# Altium PCB LimeSDR_Mini_1v0_Rounded.PcbDoc (part 1 of 5) (continued)
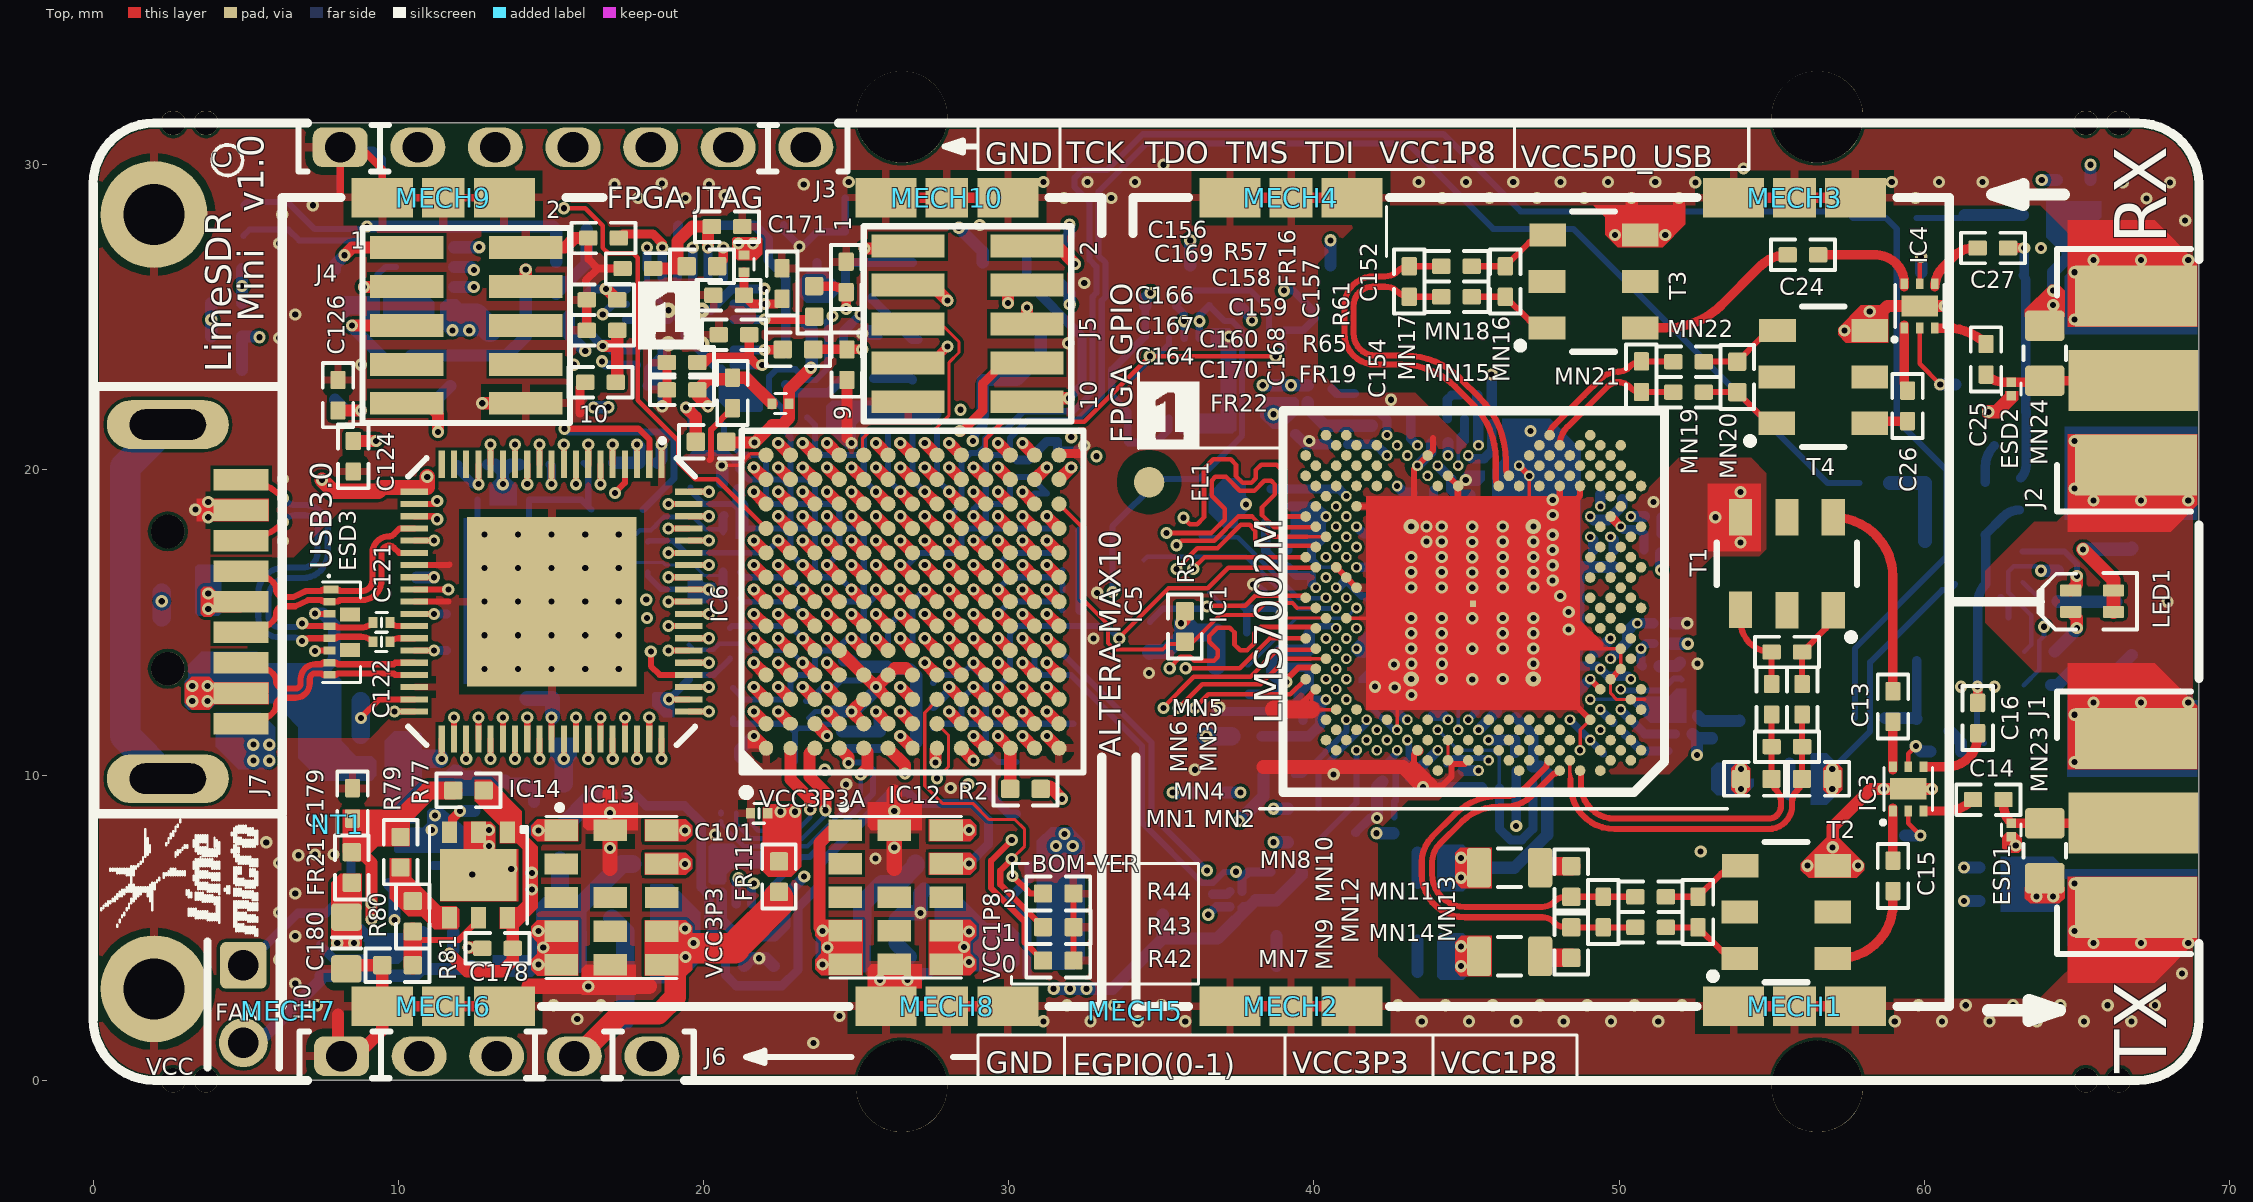
[diagram p0: Top view]
## Components (designator, comment, footprint, x,y, rotation, side; value= is the part's Value field where it differs from the comment)
C1 "10pF, 25V" CAP0402#1 41.375,8.625 r270 bottom
C2 "1uF, 10V" CAP0402#1 38.775,5.225 r270 bottom
C3 "100pF, 50V" CAP0402#1 56.085,10.375 r180 bottom
C4 "100nF, 16V" CAP0402#1 52.825,9.875 r0 bottom
C5 "100pF, 50V" CAP0402#1 54.382,9.432 r270 bottom
C6 "100nF, 16V" CAP0402#1 56.085,9.375 r0 bottom
C7 "100pF, 50V" CAP0402#1 43.9,3.55 r180 bottom
C8 "100pF, 50V" CAP0402#1 43.892,6.467 r180 bottom
C9 "100nF, 16V" CAP0402#1 43.892,7.467 r0 bottom
C10 "100nF, 16V" CAP0402#1 43.9,4.575 r0 bottom
C11 "100nF, 16V" CAP0402#1 63.95,7.45 r270 bottom
C12 "100pF, 50V" CAP0402#1 63.95,5.4 r270 bottom
C13 "47pF, 50V" CAP0402#2 58.975,12.25 r90 top
C14 "510pF" CAP0402#2 62.1,9.2 r0 top
C15 "510pF" CAP0402#2 58.975,6.7 r270 top
C16 "47pF, 50V" CAP0402#2 61.75,11.875 r90 top
C17 "10pF, 25V" CAP0402#1 58.875,8.025 r0 bottom
C18 "10pF, 25V" CAP0402#1 60.7,10.775 r180 bottom
C19 "100pF, 50V" CAP0402#1 56.825,20.075 r90 bottom
C20 "100pF, 50V" CAP0402#1 57.675,27.75 r270 bottom
C21 "100nF, 16V" CAP0402#1 65.2,27.45 r180 bottom
C22 "100pF, 50V" CAP0402#1 64.225,24.05 r270 bottom
C23 "100pF, 50V" CAP0402#1 57.15,12.925 r180 bottom
C24 "47pF, 50V" CAP0402#2 56.025,27.05 r180 top
C25 "510pF" CAP0402#2 62.025,23.625 r270 top
C26 "510pF" CAP0402#2 59.45,22.1 r270 top
C27 "47pF, 50V" CAP0402#2 62.25,27.275 r0 top
C28 "10pF, 25V" CAP0402#1 61.025,22.3 r90 bottom
C29 "10pF, 25V" CAP0402#1 59.9,25.975 r90 bottom
C30 "1uF, 6.3V" CAP0201 42.376,9.196 r180 bottom
C31 "1nF, 10%" CAP0201 40.901,16.646 r135 bottom
C32 "1uF, 6.3V" CAP0201 43.026,15.596 r0 bottom
C33 "1nF, 10%" CAP0201 39.625,11.508 r90 bottom
C34 "1uF, 6.3V" CAP0201 39.77,12.441 r180 bottom
C35 "1nF, 10%" CAP0201 38.325,15.755 r90 bottom
C36 "1uF, 6.3V" CAP0201 37.416,15.526 r180 bottom
C37 "1nF, 10%" CAP0201 39.926,16.821 r90 bottom
C38 "1uF, 6.3V" CAP0201 39.146,17.101 r90 bottom
C39 "1nF, 10%" CAP0201 39.2,19.091 r270 bottom
C40 "1uF, 6.3V" CAP0201 40.05,19.091 r270 bottom
C41 "1uF, 6.3V" CAP0201 51.246,11.071 r270 bottom
C42 "1uF, 6.3V" CAP0201 45.8,9.575 r180 bottom
C43 "1uF, 6.3V" CAP0201 46.63,10.425 r270 bottom
C44 "1uF, 6.3V" CAP0201 46.275,12.4 r0 bottom
C45 "1uF, 6.3V" CAP0201 39.173,21.405 r315 bottom
C46 "1uF, 6.3V" CAP0201 45.476,20.091 r270 bottom
C47 "1uF, 6.3V" CAP0201 51.1,17.9 r0 bottom
C48 "1uF, 6.3V" CAP0201 51.051,13.571 r0 bottom
C49 "1uF, 6.3V" CAP0201 40.821,20.841 r180 bottom
C50 "1uF, 6.3V" CAP0201 52.301,12.646 r0 bottom
C51 "1uF, 6.3V" CAP0201 40.575,21.758 r90 bottom
C52 "1uF, 6.3V" CAP0201 53.944,11.502 r270 bottom
C53 "1uF, 6.3V" CAP0201 41.925,17.621 r270 bottom
C54 "1nF, 10%" CAP0201 42.676,17.621 r270 bottom
C55 "1uF, 6.3V" CAP0201 44.875,9.875 r270 bottom
C56 "1uF, 6.3V" CAP0201 42.176,12.271 r180 bottom
C57 "1uF, 6.3V" CAP0201 42.251,10.071 r270 bottom
C58 "1uF, 6.3V" CAP0201 51.43,14.975 r180 bottom
C59 "1uF, 6.3V" CAP0201 45.125,18.898 r270 bottom
C60 "1uF, 6.3V" CAP0201 37.875,12.373 r270 bottom
C61 "1nF, 10%" CAP0201 38.926,12.371 r270 bottom
C62 "1uF, 6.3V" CAP0201 39.125,13.823 r270 bottom
C63 "1nF, 10%" CAP0201 39.851,13.814 r270 bottom
C64 "1uF, 6.3V" CAP0201 41.925,16.531 r270 bottom
C65 "1nF, 10%" CAP0201 42.676,16.521 r270 bottom
C66 "1uF, 6.3V" CAP0201 48.92,14.025 r180 bottom
C67 "1uF, 6.3V" CAP0201 49.474,10.42 r270 bottom
C68 "1uF, 6.3V" CAP0201 44.225,9.95 r270 bottom
C69 "1uF, 6.3V" CAP0201 44.727,12.576 r90 bottom
C70 "1uF, 6.3V" CAP0201 43.9,12.23 r270 bottom
C71 "1uF, 6.3V" CAP0201 43.513,19.246 r0 bottom
C72 "1uF, 6.3V" CAP0201 41.326,22.221 r90 bottom
C73 "1uF, 6.3V" CAP0201 43.176,22.021 r90 bottom
C74 "1uF, 6.3V" CAP0201 44.12,20.903 r180 bottom
C75 "1uF, 6.3V" CAP0201 44.651,21.671 r180 bottom
C76 "1uF, 6.3V" CAP0201 49.389,19.475 r90 bottom
C77 "1uF, 6.3V" CAP0201 49.15,17.1 r90 bottom
C78 "1uF, 6.3V" CAP0201 52.05,13.408 r90 bottom
C79 "1uF, 6.3V" CAP0201 48.195,12.6 r0 bottom
C80 "1uF, 6.3V" CAP0201 50.001,11.537 r315 bottom
C81 "1uF, 6.3V" CAP0201 48.151,13.396 r180 bottom
C82 "1uF, 6.3V" CAP0201 43.15,9.645 r270 bottom
C83 "1uF, 6.3V" CAP0201 50.388,19.042 r0 bottom
C84 "1uF, 6.3V" CAP0201 51.125,18.475 r0 bottom
C85 "1uF, 6.3V" CAP0201 49.825,17.1 r270 bottom
C86 "1uF, 6.3V" CAP0201 45.071,22.453 r180 bottom
C87 "100nF, 16V" CAP0402#1 31.45,24.7 r0 bottom
C88 "10uF, 6.3V" CAP0603#1 30.25,9.575 r90 bottom
C89 "1uF, 6.3V" CAP0201 32.05,16.725 r0 bottom
C90 "100nF, 6.3V" CAP0201 32.05,16.05 r0 bottom
C91 "100nF, 6.3V" CAP0201 32.05,15.4 r0 bottom
C92 "100nF, 6.3V" CAP0201 27.25,11.55 r180 bottom
C93 "100nF, 6.3V" CAP0201 27.25,12.25 r180 bottom
C94 "100nF, 6.3V" CAP0201 32.05,17.35 r0 bottom
C95 "10uF, 6.3V" CAP0603#1 32.05,10.825 r90 bottom
C96 "1uF, 6.3V" CAP0201 27.25,13.025 r180 bottom
C97 "100nF, 6.3V" CAP0201 25.15,12.825 r270 bottom
C98 "100nF, 6.3V" CAP0201 24.6,13.475 r90 bottom
C99 "100nF, 6.3V" CAP0201 23.45,12.15 r270 bottom
C100 "100nF, 6.3V" CAP0201 32.05,18 r0 bottom
C101 "100nF, 6.3V" CAP0201 21.825,8.75 r180 top
C102 "10uF, 6.3V" CAP0603#1 22.55,21.725 r0 bottom
C103 "1uF, 6.3V" CAP0201 30.275,20.05 r90 bottom
C104 "100nF, 6.3V" CAP0201 20.925,17.925 r180 bottom
C105 "100nF, 6.3V" CAP0201 20.95,18.5 r180 bottom
C106 "100nF, 6.3V" CAP0201 20.92,19.335 r180 bottom
C107 "100nF, 6.3V" CAP0201 27.65,21.55 r90 bottom
C108 "10uF, 6.3V" CAP0603#1 22.05,10.6 r0 bottom
C109 "1uF, 6.3V" CAP0201 25.2,11.15 r270 bottom
C110 "100nF, 6.3V" CAP0201 24.525,11.15 r270 bottom
C111 "100nF, 6.3V" CAP0201 25.85,11.15 r270 bottom
C112 "10uF, 6.3V" CAP0603#1 31.25,20.085 r270 bottom
C113 "1uF, 6.3V" CAP0201 25.25,13.8 r270 bottom
C114 "100nF, 6.3V" CAP0201 26.86,21.546 r90 bottom
C115 "100nF, 6.3V" CAP0201 26.025,13.8 r270 bottom
C116 "100nF, 6.3V" CAP0201 20.925,15.8 r180 bottom
C117 "100nF, 6.3V" CAP0201 25.295,21.571 r90 bottom
C118 "100nF, 6.3V" CAP0201 26.04,21.546 r90 bottom
C119 "100nF, 6.3V" CAP0201 26.75,13.775 r270 bottom
C120 "100nF, 6.3V" CAP0201 20.925,16.65 r180 bottom
C121 "100nF, 6.3V" CAP0201 9.45,15 r0 top
C122 "100nF, 6.3V" CAP0201 9.45,14.37 r0 top
C123 "100nF, 16V" CAP0402#1 7.725,9.825 r270 bottom
C124 "10pF, 5%" CAP0402#2 8.525,20.45 r270 top
C125 "100nF, 16V" CAP0402#1 1.75,16.2 r0 bottom
C126 "10pF, 5%" CAP0402#2 8.025,22.45 r90 top
C127 "100nF, 16V" CAP0402#1 4.375,23.325 r180 bottom
C128 "10uF, 6.3V" CAP0603#1 14.45,9.725 r0 bottom
C129 "1uF, 6.3V" CAP0201 18.875,11.785 r90 bottom
C130 "100nF, 6.3V" CAP0201 14,19.025 r0 bottom
C131 "1uF, 6.3V" CAP0201 14.9,11.035 r0 bottom
C132 "100nF, 6.3V" CAP0201 12.875,19.025 r180 bottom
C133 "1uF, 6.3V" CAP0201 15.95,11.035 r180 bottom
C134 "100nF, 6.3V" CAP0201 19.625,16.61 r90 bottom
C135 "1uF, 6.3V" CAP0201 19.675,15.56 r90 bottom
C136 "100nF, 6.3V" CAP0201 18.2,12.485 r180 bottom
C137 "10uF, 6.3V" CAP0603#1 10.675,11.835 r270 bottom
C138 "1uF, 6.3V" CAP0201 13.9,12.51 r0 bottom
C139 "100nF, 6.3V" CAP0201 18.225,20.235 r0 bottom
C140 "10nF, 16V" CAP0402#1 15.55,12.51 r0 bottom
C141 "100nF, 6.3V" CAP0201 11.865,15.285 r0 bottom
C142 "10nF, 16V" CAP0402#1 16.575,20.235 r180 bottom
C143 "100nF, 6.3V" CAP0201 11.865,14.085 r0 bottom
C144 "10nF, 16V" CAP0402#1 10.975,9.775 r0 bottom
C145 "10uF, 6.3V" CAP0603#1 16.975,18.7 r0 bottom
C146 "1uF, 6.3V" CAP0201 11.15,7.325 r90 bottom
C147 "100nF, 16V" CAP0402#1 12.025,7.275 r270 bottom
C148 "100nF, 16V" CAP0402#1 22.7,23.3 r270 bottom
C149 "100nF, 16V" CAP0402#1 19.675,28.025 r0 bottom
C150 "100nF, 16V" CAP0402#1 40.075,24.55 r270 bottom
C151 "18nF, 16V" CAP0402#1 25.6,25.1 r90 bottom
C152 "47pF" CAP0402#2 24.675,26.325 r270 top
C153 "1uF, 10V" CAP0402#1 23.725,27.3 r270 bottom
C154 "47pF" CAP0402#2 24.7,23.45 r90 top
C155 "100nF, 16V" CAP0402#1 24.65,27.3 r270 bottom
C156 "100nF, 16V" CAP0402#2 16.725,27.6 r0 top
C157 "1uF, 10V" CAP0402#2 22.575,26.11 r270 top
C158 "100nF, 16V" CAP0402#2 20.825,25.725 r0 top
C159 "100pF, 50V" CAP0402#2 21,24.435 r0 top
C160 "100pF, 50V" CAP0402#2 19.3,23.525 r0 top
C161 "100nF, 16V" CAP0402#1 15.675,27.875 r180 bottom
C162 "100nF, 16V" CAP0402#1 33.925,20.4 r270 bottom
C163 "100nF, 16V" CAP0402#1 9.6,25.025 r180 bottom
C164 "1uF, 10V" CAP0402#2 16.625,22.875 r0 top
C165 "100nF, 16V" CAP0402#1 15.675,25.775 r0 bottom
C166 "100pF, 50V" CAP0402#2 16.675,25.575 r0 top
C167 "100pF, 50V" CAP0402#2 16.675,24.575 r0 top
C168 "1uF, 10V" CAP0402#2 20.95,22.525 r90 top
C169 "100nF, 16V" CAP0402#2 17.85,26.6 r0 top
C170 "100pF, 50V" CAP0402#2 19.3,22.625 r0 top
C171 "100pF, 50V" CAP0402#2 20.775,27.975 r180 top
C172 "100nF, 16V" CAP0402#1 7.45,3.925 r90 bottom
C173 "1uF, 10V" CAP0402#1 21.325,4.225 r90 bottom
C174 "100nF, 16V" CAP0402#1 22.325,4.225 r270 bottom
C175 "10uF, 6.3V" CAP0603#1 30.75,5.875 r0 bottom
C176 "10uF, 16V" CAP0603#1 25.9,4.05 r180 bottom
C177 "10uF, 16V" CAP0603#1 16.589,4.04 r180 bottom
C178 "4.7uF, 6.3V" CAP0402#2 13.25,4.325 r0 top
C179 "4.7uF, 6.3V" CAP0402#2 8.5,9.075 r270 top
C180 "10uF, 6.3V" CAP0603#2 8.3,4.5 r90 top
C181 "22uF, 10V" CAP0603#1 27.161,5.265 r0 bottom
C182 "22uF, 10V" CAP0603#1 17.85,5.305 r0 bottom
C183 "100pF, 50V" CAP0402#1 12.5,9.325 r270 bottom
C184 "10uF, 6.3V" CAP0603#1 13,23.75 r90 bottom
ESD1 "ESD8472" ESD8472_X3DFN2 62.85,8.2 r270 top
ESD2 "ESD8472" ESD8472_X3DFN2 62.85,22.65 r270 top
ESD3 "ESD7016" ESD7016 8.08,14.685 r0 top
FL1 "Fiducial" Fiducial_local 34.6,19.6 r0 top
FR1 "600R, 0.27A" RES0201 52.131,11.351 r0 bottom
FR2 "600R, 0.27A" RES0201 51.424,14.309 r180 bottom
FR3 "600R, 0.27A" RES0201 51.1,17.25 r180 bottom
FR4 "600R, 0.27A" RES0201 45.826,21.796 r90 bottom
FR5 "600R, 0.27A" RES0201 38.8,22.483 r90 bottom
FR6 "600R, 0.27A" RES0201 46.275,11.9 r0 bottom
FR7 "600R, 0.27A" RES0201 46.905,11.175 r0 bottom
FR8 "600R, 0.27A" RES0201 47.175,10 r90 bottom
FR9 "600R, 0.27A" RES0201 52.305,11.928 r180 bottom
FR10 "600R, 0.27A" RES0201 41.876,21.121 r90 bottom
FR11 "220R, 0.9A" RES0402#1 22.475,6.675 r90 top
FR12 "600R, 2A" RES0805#1 4.675,12.65 r270 bottom
FR13 "220R, 0.9A" RES0402#2 1.752,15.17 r180 bottom
FR14 "220R, 0.9A" RES0402#2 10.225,8.25 r270 bottom
FR15 "600R, 0.27A" RES0201 24.525,25.95 r0 bottom
FR16 "600R, 0.27A" RES0201 21.325,26.76 r270 top
FR17 "600R, 0.27A" RES0201 11.25,25.05 r180 bottom
FR18 "600R, 0.27A" RES0201 15.875,24.875 r0 bottom
FR19 "600R, 0.27A" RES0201 22.525,22.175 r180 top
FR20 "600R, 2A" RES0805#1 30.775,4.375 r0 bottom
FR21 "220R, 0.9A" RES0402#1 8.475,6.975 r270 top
FR22 "220R, 0.9A" RES0402#1 20.25,20.925 r0 top
IC1 "LMS7002M" LMS7002M_v4 45.391,15.641 r180 top locked
IC2 "M24128S" M24128S 37.449,5.939 r90 bottom
IC3 "SKY13411-374LF" SKY13411-374LF 59.475,9.55 r90 top
IC4 "SKY13411-374LF" SKY13411-374LF 59.85,25.375 r90 top
IC5 "10M16SAU169C8G" 10M16SAU169C8G 26.85,15.685 r90 top locked
IC6 "FT601Q" FT601Q 15.025,15.685 r270 top locked
IC7 "LMK00105" LMK00105SQ 19.4,24.685 r180 bottom
IC8 "LM75" HWSON8_LM75 36,22.925 r270 bottom
IC9 "DAC5311IDCKR" AD5601_SOT23-6 10.875,26.65 r180 bottom
IC10 "M24128S" M24128S 38.775,24.375 r180 bottom
IC11 "W25Q40EWUXIE" W25Q40EWUXIE_8-USON 21.325,7.275 r270 bottom
IC12 "LXDC55K" LXDC55K 26.25,6 r90 top
IC13 "LXDC55K" LXDC55K 16.939,5.99 r90 top
IC14 "LD39100PUR" LD39100PUR 12.625,6.725 r180 top
J1 "SMA board edge" SMA_CONNECTOR_BOARD_EDGE_SM 66.845,8.437 r90 top locked
J2 "SMA board edge" SMA_CONNECTOR_BOARD_EDGE_SM 66.845,22.937 r90 top locked
J3 "FPGA JTAG (board edge)" HEADER7X1_TH_V2 15.725,30.575 r0 top
J4 "FPGA JTAG" SWD_10_pin 12.225,24.735 r270 top
J5 "FPGA GPIO" SWD_10_pin 28.65,24.785 r270 top
J6 "FPGA EGPIO (board edge)" Header5x1_TH_v2 13.225,0.795 r0 top
J7 "USB3.0_MALE" USB3A_SM 3.65,15.685 r90 top locked
J8 "U.FL/MMCX" MMCX_UFL_conn_u 40.55,28.3 r0 bottom
J9 "U.FL/MMCX" MMCX_UFL_conn_u 35.95,28.3 r0 bottom
J10 "FAN" HDR_1x2_v2 4.925,2.5 r0 top
LED1 "LED_RG_SMD" LED-2x0603 65.425,15.675 r180 top
LED2 "LED_RG_angle" LED_RG_RIGHT_ANGLE_v2 67.55,15.685 r270 bottom
MECH1 "RFI Shield clip" RFI_SHIELD_CLPS_MINI 55.75,2.425 r180 top
MECH2 "RFI Shield clip" RFI_SHIELD_CLPS_MINI 39.25,2.425 r180 top
MECH3 "RFI Shield clip" RFI_SHIELD_CLPS_MINI 55.75,28.925 r180 top
MECH4 "RFI Shield clip" RFI_SHIELD_CLPS_MINI 39.25,28.925 r180 top
MECH5 "RFI Shield" WURTHELECTRONIC_RF_SHIELD 34.15,2.275 r0 top
MECH6 "RFI Shield clip" RFI_SHIELD_CLPS_MINI 11.475,2.425 r180 top
MECH7 "RFI Shield" WURTHELECTRONIC_RF_SHIELD 6.4,2.275 r0 top
MECH8 "RFI Shield clip" RFI_SHIELD_CLPS_MINI 27.975,2.425 r180 top
MECH9 "RFI Shield clip" RFI_SHIELD_CLPS_MINI 11.475,28.925 r180 top
MECH10 "RFI Shield clip" RFI_SHIELD_CLPS_MINI 27.975,28.925 r180 top
MECH11 "RFI Shield clip" RFI_SHIELD_CLPS_MINI 11.475,2.425 r180 bottom
MECH12 "RFI Shield clip" RFI_SHIELD_CLPS_MINI 27.975,2.425 r180 bottom
MECH13 "RFI Shield clip" RFI_SHIELD_CLPS_MINI 11.475,28.925 r180 bottom
MECH14 "RFI Shield clip" RFI_SHIELD_CLPS_MINI 27.975,28.925 r180 bottom
MECH15 "RFI Shield" WURTHELECTRONIC_RF_SHIELD 33.2,2.275 r180 bottom
MN1 "8.2nH, 5%" RES0402#1 54.493,9.877 r180 top
MN2 "8.2nH, 5%" RES0402#1 56.493,9.877 r0 top
MN3 "0.8pF" CAP0402#2 56,12.485 r90 top
MN4 "1pF" CAP0402#2 55.5,10.935 r0 top
MN5 "0.5pF" CAP0402#2 55.5,14.035 r180 top
MN6 "0.8pF" CAP0402#2 55,12.485 r270 top
MN7 "100uH" RES0805#2 46.412,4.067 r180 top
MN8 "100uH" RES0805#2 46.412,6.967 r180 top
MN9 "0R" RES0402#1 48.435,4.515 r270 top
MN10 "0R" RES0402#1 48.435,6.515 r90 top
MN11 "100nF, 16V" CAP0402#2 51.035,6.015 r180 top
MN12 "1pF" CAP0402#2 49.485,5.515 r270 top
MN13 "2pF" CAP0402#2 52.585,5.515 r90 top
MN14 "100nF, 16V" CAP0402#2 51.035,5.015 r0 top
MN15 "2pF" CAP0402#2 44.675,25.675 r180 top
MN16 "0.5pF" CAP0402#2 46.275,26.175 r270 top
MN17 "1pF" CAP0402#2 43.125,26.175 r270 top
MN18 "2pF" CAP0402#2 44.675,26.675 r180 top
MN19 "510pF" CAP0402#2 52.275,22.55 r180 top
MN20 "8.2nH, 5%" RES0402#1 53.875,23.05 r270 top
MN21 "1.2pF" CAP0402#2 50.732,23.058 r270 top
MN22 "510pF" CAP0402#2 52.275,23.55 r180 top
MN23 "100uH" RES0805_0603 63.95,7.525 r270 top
MN24 "100uH" RES0805_0603 63.95,23.825 r90 top
NT1 "NetTie" NetTie_Wide2 8,8.375 r270 top net-tie
R1 "10k, 1%" RES0402#2 36.3,18.325 r90 bottom
R2 "10k, 1%" RES0402#1 30.55,9.55 r0 top
R3 "10k, 1%" RES0402#2 37.3,13.575 r0 bottom
R4 "10k, 1%" RES0402#2 34.625,14.525 r90 bottom
R5 "10k, 1%" RES0402#1 35.775,14.875 r90 top
R6 "49.9R, 1%" RES0402#2 39.751,7.871 r180 bottom
R7 "49.9R, 1%" RES0402#2 38.85,10.003 r180 bottom
R8 "49.9R, 1%" RES0402#2 39.65,8.903 r180 bottom
R9 "49.9R, 1%" RES0402#2 36.6,9.428 r180 bottom
R10 "10k, 1%" RES0402#2 34.425,17.55 r90 bottom
R11 "10k, 1%" RES0402#2 45.325,14.078 r135 bottom
R12 "2k2, 1%" RES0402#2 35.55,5.425 r0 bottom
R13 "2k2, 1%" RES0402#2 39.1,6.825 r180 bottom
R14 "0R" RES0402#2 62.3,6.975 r0 bottom
R15 "0R" RES0402#2 62.3,5.878 r0 bottom
R16 "560R, 1%" RES0402#2 62.787,20.787 r180 bottom
R17 "100R, 1%" RES0402#2 58.375,19.575 r180 bottom
R18 "2.49k, 1%" RES0402#2 63.112,19.187 r90 bottom
R19 "1k, 1%" RES0402#2 61.512,16.262 r180 bottom
R20 "0R" RES0402#2 64.35,29 r270 bottom
R21 "0R" RES0402#2 65.45,29 r270 bottom
R22 "100R, 1%" RES0402#2 59.25,28.25 r0 bottom
R23 "49.9R, 1%" RES0402#2 62.262,15.162 r180 bottom
R24 "49.9R, 1%" RES0402#2 63.825,21.9 r180 bottom
R25 "100R, 1%" RES0402#2 58.225,11.875 r180 bottom
R26 "0R" RES0201 42.606,8.376 r270 bottom
R27 "0R" RES0402#2 37.826,19.371 r0 bottom
R28 "0R" RES0402#2 37.822,18.275 r0 bottom
R29 "0R" RES0402#2 37.301,14.621 r0 bottom
R30 "0R" RES0402#2 37.8,11.278 r0 bottom
R31 "0R" RES0402#2 41.976,14.971 r90 bottom
R32 "10R" RES0201 53.046,11.487 r270 bottom
R33 "10R" RES0201 39.801,22.496 r270 bottom
R34 "10k, 1%" RES0402#2 9.925,23.75 r0 bottom
R35 "10k, 1%" RES0402#2 4.375,25.475 r0 bottom
R36 "10k, 1%" RES0402#2 11.7,23.25 r90 bottom
R37 "10k, 1%" RES0402#2 20.975,12.275 r90 bottom
R38 "10k, 1%" RES0402#2 4.375,26.575 r0 bottom
R39 "1k, 1%" RES0402#2 8.025,26.05 r270 bottom
R40 "0R" RES0402#2 31.1,26.175 r180 bottom
R41 "0R" RES0402#2 31.094,27.291 r180 bottom
R42 "0R" RES0402#1 31.625,3.925 r180 top
R43 "0R" RES0402#1 31.627,5.02 r180 top
R44 "0R" RES0402#1 31.625,6.125 r180 top
R45 "10k, 1%" RES0402#2 18.175,16.975 r90 bottom
R46 "10k, 1%" RES0402#2 20.125,21.475 r0 bottom
R47 "10k, 1%" RES0402#2 19.575,19.925 r90 bottom
R48 "10k, 1%" RES0402#2 19.525,13.675 r90 bottom
R49 "10k, 1%" RES0402#2 20.875,14.325 r90 bottom
R50 "4K7, 1%" RES0402#2 8.775,10.825 r270 bottom
R51 "10k, 1%" RES0402#2 8.775,12.925 r270 bottom
R52 "0R" RES0402#2 3.775,17.1 r270 bottom
R53 "10k, 1%" RES0402#2 14.475,20.175 r180 bottom
R54 "10k, 1%" RES0402#2 12.45,20.175 r0 bottom
R55 "10k, 1%" RES0402#2 4.375,24.375 r180 bottom
R56 "1k6, 1%" RES0402#2 10.1,16.475 r0 bottom
R57 "0R" RES0402#1 19.95,26.675 r180 top
R58 "10k, 1%" RES0402#2 37.075,25.375 r0 bottom
R59 "0R" RES0402#2 25.075,23 r180 bottom
R60 "22R" RES0402#2 23.375,25.275 r270 bottom
R61 "0R" RES0402#1 23.625,25.525 r270 top
R62 "0R" RES0402#2 24.588,23.503 r270 bottom
R63 "49.9R, 1%" RES0402#2 22.125,28.025 r180 bottom
R64 "1k, 1%" RES0402#2 33.9,22.4 r90 bottom
R65 "0R" RES0402#1 23.1,23.95 r180 top
R66 "1k, 1%" RES0402#2 34.975,25.375 r0 bottom
R67 "3k, 1%" RES0402#2 4.925,28.175 r270 bottom
R68 "10k, 1%" RES0402#2 15.675,26.825 r0 bottom
R69 "0R" RES0402#2 12.9,3.75 r180 bottom
R70 "100R, 1%" RES0402#2 63.775,14.05 r180 bottom
R71 "0R" RES0402#2 11.3,4.85 r180 bottom
R72 "100R, 1%" RES0402#2 63.225,16.825 r270 bottom
R73 "100R, 1%" RES0402#2 64.375,16.2 r90 bottom
R74 "0R" RES0402#2 7.95,8.075 r0 bottom
R75 "100R, 1%" RES0402#2 63.775,12.95 r180 bottom
R76 "10k, 1%" RES0402#2 27.45,7.1 r180 bottom
R77 "0R" RES0402#1 12.3,9.5 r180 top
R78 "10k, 1%" RES0402#2 18.164,7.09 r180 bottom
R79 "0R" RES0402#1 10.075,7.475 r90 top
R80 "10k, 1%" RES0402#1 10.475,5.375 r90 top
R81 "4K7, 1%" RES0402#1 9.975,3.775 r180 top
R82 "0R" RES0402#2 16.95,9.375 r0 bottom
R83 "3.83k, 1%" RES0402#2 27.45,8.2 r0 bottom
R84 "0R" RES0402#2 15.3,7.7 r90 bottom
R85 "576R, 1%" RES0402#2 18.139,8.19 r0 bottom
T1 "JA4220-AL_" JA4220-AL_ 55.5,16.925 r180 top
T2 "JA4220-AL_" JA4220-AL_ 55.475,5.515 r90 top
T3 "JA4220-AL_" JA4220-AL_ 49.165,26.175 r90 top
T4 "JA4220-AL_" JA4220-AL_ 56.69,23.05 r90 top
VT1 "RF MOSFET" BF1105R_SOT143R4 61.012,18.637 r270 bottom
VT2 "RF MOSFET" BF1105R_SOT143R4 62.288,27.362 r180 bottom
VT3 "RF MOSFET" BF1105R_SOT143R4 60.738,12.813 r270 bottom
VT4 "NDS331N" SOT23-3 8.55,5.475 r180 bottom
XO1 "RTX5032A, 40MHz, w VC, w Filter" RAKON_RTX5032A 28,24.875 r270 bottom
XT1 "30MHz" CRYSTAL_4-LCC 9.025,21.45 r0 bottom

## Footprints (in the part's own frame and the unit in brackets; to place one, negate y for a bottom-side part, rotate by r counter-clockwise, add the part's x,y. Pads: shape width x height; smd on the part's side, far side on the other; paste and mask are expansions set on the pad)
10M16SAU169C8G [mm] "BGA, 169-Leads, Body 11,00x11,00mmx1,55mm, Pitch 0,80mm"
  oval 0.5x0.47 smd mask+0.02: A1(-4.8,4.8) G1(-4.8,0) H1(-4.8,-0.8)
  round 0.5 smd mask+0.02: A2(-4,4.8) A3(-3.2,4.8) A4(-2.4,4.8) A5(-1.6,4.8) A6(-0.8,4.8) A7(0,4.8) A8(0.8,4.8) A9(1.6,4.8) A10(2.4,4.8) A11(3.2,4.8) A12(4,4.8) A13(4.8,4.8) B3(-3.2,4) B4(-2.4,4) B5(-1.6,4) B6(-0.8,4) B7(0,4) B8(0.8,4) B9(1.6,4) B10(2.4,4) B11(3.2,4) B12(4,4) B13(4.8,4) C1(-4.8,3.2) C2(-4,3.2) C3(-3.2,3.2) C4(-2.4,3.2) C5(-1.6,3.2) C6(-0.8,3.2) C7(0,3.2) C8(0.8,3.2) C9(1.6,3.2) C10(2.4,3.2) C11(3.2,3.2) C12(4,3.2) C13(4.8,3.2) D1(-4.8,2.4) D2(-4,2.4) D3(-3.2,2.4) D4(-2.4,2.4) D5(-1.6,2.4) D6(-0.8,2.4) D7(0,2.4) D8(0.8,2.4) D9(1.6,2.4) D10(2.4,2.4) D11(3.2,2.4) D12(4,2.4) D13(4.8,2.4) E1(-4.8,1.6) E2(-4,1.6) E3(-3.2,1.6) E4(-2.4,1.6) E5(-1.6,1.6) E6(-0.8,1.6) E7(0,1.6) E8(0.8,1.6) E9(1.6,1.6) E10(2.4,1.6) E11(3.2,1.6) E12(4,1.6) E13(4.8,1.6) F1(-4.8,0.8) F2(-4,0.8) F3(-3.2,0.8) F4(-2.4,0.8) F5(-1.6,0.8) F6(-0.8,0.8) F7(0,0.8) F8(0.8,0.8) F9(1.6,0.8) F10(2.4,0.8) F11(3.2,0.8) F12(4,0.8) F13(4.8,0.8) G2(-4,0) G3(-3.2,0) G4(-2.4,0) G5(-1.6,0) G6(-0.8,0) G7(0,0) G8(0.8,0) G9(1.6,0) G10(2.4,0) G11(3.2,0) G12(4,0) G13(4.8,0) H2(-4,-0.8) H3(-3.2,-0.8) H4(-2.4,-0.8) H5(-1.6,-0.8) H6(-0.8,-0.8) H7(0,-0.8) H8(0.8,-0.8) H9(1.6,-0.8) H10(2.4,-0.8) H11(3.2,-0.8) H12(4,-0.8) H13(4.8,-0.8) J1(-4.8,-1.6) J2(-4,-1.6) J3(-3.2,-1.6) J4(-2.4,-1.6) J5(-1.6,-1.6) J6(-0.8,-1.6) J7(0,-1.6) J8(0.8,-1.6) J9(1.6,-1.6) J10(2.4,-1.6) J11(3.2,-1.6) J12(4,-1.6) J13(4.8,-1.6) K1(-4.8,-2.4) K2(-4,-2.4) K3(-3.2,-2.4) K4(-2.4,-2.4) K5(-1.6,-2.4) K6(-0.8,-2.4) K7(0,-2.4) K8(0.8,-2.4) K9(1.6,-2.4) K10(2.4,-2.4) K11(3.2,-2.4) K12(4,-2.4) K13(4.8,-2.4) L1(-4.8,-3.2) L2(-4,-3.2) L3(-3.2,-3.2) L4(-2.4,-3.2) L5(-1.6,-3.2) L6(-0.8,-3.2) L7(0,-3.2) L8(0.8,-3.2) L9(1.6,-3.2) L10(2.4,-3.2) L11(3.2,-3.2) L12(4,-3.2) L13(4.8,-3.2) M1(-4.8,-4) M2(-4,-4) M3(-3.2,-4) M4(-2.4,-4) M5(-1.6,-4) M6(-0.8,-4) M7(0,-4) M8(0.8,-4) M9(1.6,-4) M10(2.4,-4) M11(3.2,-4) M12(4,-4) M13(4.8,-4) N1(-4.8,-4.8) N2(-4,-4.8) N3(-3.2,-4.8) N4(-2.4,-4.8) N5(-1.6,-4.8) N6(-0.8,-4.8) N7(0,-4.8) N8(0.8,-4.8) N9(1.6,-4.8) N10(2.4,-4.8) N11(3.2,-4.8) N12(4,-4.8) N13(4.8,-4.8)
  round 0.47 smd mask+0.02: B1(-4.8,4)
  oval 0.45x0.5 smd mask+0.02: B2(-4,4)
  silkscreen extent -6.37,-5.6 5.6,5.6, body extent -5.5,-5.5 5.5,5.5, height 1.65
AD5601_SOT23-6 [mm] "SOT23, 6-Leads, Body 2x1.3mm, Pitch 0.65mm, Lead Span 2.1mm, IPC Medium Density"
  rect 0.85x0.4 smd mask+0.05: 1(-0.95,0.65) 2(-0.95,0) 3(-0.95,-0.65) 4(0.95,-0.65) 5(0.95,0) 6(0.95,0.65)
  silkscreen extent -0.95,-1.1 0.15,1.1, body extent -1.05,-1 1.05,1, height 0.43
BF1105R_SOT143R4 [mm] "RF MOSFET Transistors Trans MOSFET N-CH 7V 0.03A 4pin(3+Tab). SOT-143R-4 package"
  rect 1x0.7 smd: 1(0.763,-0.987)
  rect 0.7x0.7 smd: 2(-0.962,-0.987) 3(-0.937,0.988) 4(0.963,0.988)
  silkscreen extent -1.5,-1.73 1.53,0.63, body extent -1.44,-1.26 1.46,1.24, height 0.95
CAP0201 [mm]
  rect 0.3x0.35 smd: 1(-0.28,0) 2(0.28,0)
  silkscreen extent -0.2,-0.33 0.2,0.33, body extent -0.3,-0.15 0.3,0.15, height 0.25
CAP0402#1 [mm] "Chip Capacitor, Body 1.0x0.5mm, 0402, IPC Medium Density"
  round 0.2 on Mech14: 0(0,0)
  rrect20% 0.6x0.5 smd: 1(-0.5,0) 2(0.5,0)
  Top pour cut-out: -0.2,0.35 0.2,0.35 0.2,-0.35 -0.2,-0.35
  silkscreen extent -1.05,-0.5 1.05,0.5, body extent -0.52,-0.27 0.53,0.28, height 0.55
CAP0402#2 [mm] "Chip Capacitor, Body 1.0x0.5mm, 0402, IPC Medium Density"
  round 0.2 on Mech15: 0(0,0)
  rrect20% 0.6x0.5 smd: 1(-0.5,0) 2(0.5,0)
  Top pour cut-out: -0.2,0.35 0.2,0.35 0.2,-0.35 -0.2,-0.35
  silkscreen extent -1.05,-0.5 1.05,0.5, body extent -0.52,-0.27 0.53,0.28, height 0.55
CAP0603#1 [mm] "Chip Capacitor, Body 1.6x0.8mm, 0603, IPC Medium Density"
  round 0.254 on Mech14: 0(0,0)
  rrect25% 0.9x1 smd: 1(-0.85,0) 2(0.85,0)
  Top pour cut-out: -0.4,0.6 0.4,0.6 0.4,-0.6 -0.4,-0.6
  silkscreen extent -0.18,-0.48 0.18,0.48, body extent -0.85,-0.45 0.85,0.45, height 0.89
CAP0603#2 [mm] "Chip Capacitor, Body 1.6x0.8mm, 0603, IPC Medium Density"
  round 0.254 on Mech15: 0(0,0)
  rrect25% 0.9x1 smd: 1(-0.85,0) 2(0.85,0)
  Top pour cut-out: -0.4,0.6 0.4,0.6 0.4,-0.6 -0.4,-0.6
  silkscreen extent -0.18,-0.48 0.18,0.48, body extent -0.85,-0.45 0.85,0.45, height 0.89
CRYSTAL_4-LCC [mm] "SMD Crystal 4-lead leadless package"
  round 0.508 on Mech14: 0(0,0)
  rrect25% 1.4x1.2 smd: 1(-1.1,-0.85) 2(1.1,-0.85) 3(1.1,0.85) 4(-1.1,0.85)
  silkscreen extent -2.3,-1.6 2,1.6, body extent -1.65,-1.3 1.65,1.3, height 0.8
ESD7016 [mm]
  rect 0.5x0.25 smd mask+0.05: 1(-0.287,1.4)
  rect 0.4x0.25 smd mask+0.05: 2(-0.337,1) 3(-0.337,0.6) 4(-0.337,0.2) 5(-0.337,-0.2) 6(-0.337,-0.6) 7(-0.337,-1) 8(-0.337,-1.4)
  rect 0.65x0.45 smd mask+0.05: 9(0.337,0.58) 10(0.337,-0.58)
  silkscreen extent -0.56,-1.65 0.69,1.65
ESD8472_X3DFN2 [mm]
  rect 0.31x0.3 smd paste-1 mask+0.05: 1(-0.225,0) 2(0.225,0)
  silkscreen extent -0.2,-0.33 0.2,0.33
Fiducial_local [mm]
  round 1 smd paste-1 mask+0.5: 1(0,0)
  Top pour cut-out: -1.05,0 -0.97,-0.402 -0.742,-0.742 -0.402,-0.97 0,-1.05 0,-1.05 0.402,-0.97 0.742,-0.742 0.97,-0.402 1.05,0 1.05,0 0.97,0.402 0.742,0.742 0.402,0.97 0,1.05 0,1.05 -0.402,0.97 -0.742,0.742 -0.97,0.402 -1.05,0
FT601Q [mm] "QFN, 76-Leads, Body 9,05x9,05mm, Pitch 0,40mm, Thermal Pad 5,55x5,55mm, IPC High Density"
  rect 0.9x0.2 smd mask+0.05: 1(-4.5,3.6) 2(-4.5,3.2) 3(-4.5,2.8) 4(-4.5,2.4) 5(-4.5,2) 6(-4.5,1.6) 7(-4.5,1.2) 8(-4.5,0.8) 9(-4.5,0.4) 10(-4.5,0) 11(-4.5,-0.4) 12(-4.5,-0.8) 13(-4.5,-1.2) 14(-4.5,-1.6) 15(-4.5,-2) 16(-4.5,-2.4) 17(-4.5,-2.8) 18(-4.5,-3.2) 19(-4.5,-3.6) 39(4.5,-3.6) 40(4.5,-3.2) 41(4.5,-2.8) 42(4.5,-2.4) 43(4.5,-2) 44(4.5,-1.6) 45(4.5,-1.2) 46(4.5,-0.8) 47(4.5,-0.4) 48(4.5,0) 49(4.5,0.4) 50(4.5,0.8) 51(4.5,1.2) 52(4.5,1.6) 53(4.5,2) 54(4.5,2.4) 55(4.5,2.8) 56(4.5,3.2) 57(4.5,3.6)
  rect 0.2x0.9 smd mask+0.05: 20(-3.6,-4.5) 21(-3.2,-4.5) 22(-2.8,-4.5) 23(-2.4,-4.5) 24(-2,-4.5) 25(-1.6,-4.5) 26(-1.2,-4.5) 27(-0.8,-4.5) 28(-0.4,-4.5) 29(0,-4.5) 30(0.4,-4.5) 31(0.8,-4.5) 32(1.2,-4.5) 33(1.6,-4.5) 34(2,-4.5) 35(2.4,-4.5) 36(2.8,-4.5) 37(3.2,-4.5) 38(3.6,-4.5) 58(3.6,4.5) 59(3.2,4.5) 60(2.8,4.5) 61(2.4,4.5) 62(2,4.5) 63(1.6,4.5) 64(1.2,4.5) 65(0.8,4.5) 66(0.4,4.5) 67(0,4.5) 68(-0.4,4.5) 69(-0.8,4.5) 70(-1.2,4.5) 71(-1.6,4.5) 72(-2,4.5) 73(-2.4,4.5) 74(-2.8,4.5) 75(-3.2,4.5) 76(-3.6,4.5)
  rect 5.55x5.55 smd: 77(0,0)
  silkscreen extent -5.3,-4.7 4.7,4.7, body extent -4.56,-4.56 4.56,4.56, height 1
HDR_1x2_v2 [mm]
  rrect25% 1.524x1.524 hole 1: 1(0,1.27)
  round 1.6 hole 1: 2(0,-1.27)
  silkscreen extent -1.17,-2.07 1.17,2.05
Header5x1_TH_v2 [mm]
  rrect50% 1.8x1.3 hole 1: 1(-5.086,0)
  oval 1.8x1.3 hole 1: 2(-2.543,0) 3(0,0) 4(2.543,0) 5(5.086,0)
  silkscreen extent -6.46,-0.8 6.46,0.8
HEADER7X1_TH_V2 [mm]
  rrect50% 1.8x1.3 hole 1: 1(-7.629,0)
  oval 1.8x1.3 hole 1: 2(-5.086,0) 3(-2.543,0) 4(0,0) 5(2.543,0) 6(5.086,0) 7(7.629,0)
  silkscreen extent -9,-0.8 9,0.8
HWSON8_LM75 [mm]
  rect 0.625x0.25 smd: 1(-1.4,0.75) 2(-1.4,0.25) 3(-1.4,-0.25) 4(-1.4,-0.75) 5(1.4,-0.75) 6(1.4,-0.25) 7(1.4,0.25) 8(1.4,0.75)
  rect 1.6x1.6 smd: 9(0,0)
  silkscreen extent -1.9,-1.63 1.9,1.6, body extent -1.51,-1.5 1.51,1.5, height 0.8
JA4220-AL_ [mm]
  rect 0.76x1.2 smd mask+0.05: 1(-1.52,1.525) 2(1.52,1.5) 3(1.52,-1.525) 4(-1.52,-1.525) NC(0,1.525) NC(0,-1.525)
  silkscreen extent -2.3,-0.7 2.3,2.5, body extent -2.22,-2.09 2.23,2.1, height 3.03
LD39100PUR [mm]
  rect 0.5x0.7 smd mask+0.05: 1(-0.95,-1.4) 2(0,-1.4) 3(0.95,-1.4) 4(0.95,1.4) 5(0,1.4) 6(-0.95,1.4)
  rect 2.5x1.7 smd mask+0.05: PAD(0,0)
  silkscreen extent -1.6,-1.6 1.6,1.6, body extent -1.5,-1.55 1.5,1.55, height 0.8
LED-2x0603 [mm]
  round 0.254 on Mech15: 0(0,0)
  rrect25% 0.7x0.4 smd: 1(-0.775,0.325) 2(-0.775,-0.375) 3(0.625,0.325) 4(0.625,-0.375)
  Top pour cut-out: -0.5,0.5 0.5,0.5 0.5,-0.5 -0.5,-0.5
  silkscreen extent -1.55,-0.95 1.68,0.9, body extent -0.8,-0.42 0.8,0.38, height 0.75
LED_RG_RIGHT_ANGLE_v2 [mm] "LTST-S326KGJRKT"
  round 0.254 on Mech14: 0(0,0)
  rrect25% 1.5x3 smd: A(-1.75,0.75) C1(1.75,0.75)
  rrect25% 0.9x2 smd: C2(0,1.25)
  Top pour cut-out: -1.025,1.15 1.025,1.15 1.025,-1.175 -1.025,-1.175
  silkscreen extent -2.7,-0.93 2.83,0.9, body extent -1.54,-1.47 1.46,0.52, height 1
LMK00105SQ [mm] "QFN, 24-Leads, Body 4,00x4,00mm, Pitch 0,50mm, Thermal Pad 2,60x2,60mm, IPC Medium Density"
  oval 0.9x0.25 smd mask+0.05: 1(-1.925,1.25) 2(-1.925,0.75) 3(-1.925,0.25) 4(-1.925,-0.25) 5(-1.925,-0.75) 6(-1.925,-1.25) 13(1.925,-1.25) 14(1.925,-0.75) 15(1.925,-0.25) 16(1.925,0.25) 17(1.925,0.75) 18(1.925,1.25)
  oval 0.25x0.9 smd mask+0.05: 7(-1.25,-1.925) 8(-0.75,-1.925) 9(-0.25,-1.925) 10(0.25,-1.925) 11(0.75,-1.925) 12(1.25,-1.925) 19(1.25,1.925) 20(0.75,1.925) 21(0.25,1.925) 22(-0.25,1.925) 23(-0.75,1.925) 24(-1.25,1.925)
  rect 2.6x2.6 smd mask+0.05: 25(0,0)
  silkscreen extent -2.83,-2.22 2.22,2.22, body extent -2,-2 2,2, height 1
LMS7002M_v4 [mm] "LMS7002 without AM2 pad (internally unconnected)"
  round 0.35 smd mask+0: A5(-3.998,5.49) A7(-3.332,5.49) A9(-2.666,5.49) A13(-1.334,5.49) A17(-0.002,5.49) A21(1.33,5.49) AA1(-5.33,-1.17) AA3(-4.664,-1.17) AA5(-3.998,-1.17) AA29(3.994,-1.17) AA31(4.66,-1.17) AA33(5.326,-1.17) AB2(-4.997,-1.503) AB4(-4.331,-1.503) AB6(-3.665,-1.503) AB30(4.327,-1.503) AB32(4.993,-1.503) AB34(5.659,-1.503) AC3(-4.664,-1.836) AC5(-3.998,-1.836) AC29(3.994,-1.836) AC31(4.66,-1.836) AC33(5.326,-1.836) AD2(-4.997,-2.169) AD4(-4.331,-2.169) AD6(-3.665,-2.169) AD30(4.327,-2.169) AD32(4.993,-2.169) AE1(-5.33,-2.502) AE3(-4.664,-2.502) AE5(-3.998,-2.502) AE29(3.994,-2.502) AE31(4.66,-2.502) AE33(5.326,-2.502) AF2(-4.997,-2.835) AF4(-4.331,-2.835) AF6(-3.665,-2.835) AF30(4.327,-2.835) AF32(4.993,-2.835) AF34(5.659,-2.835) AG3(-4.664,-3.168) AG5(-3.998,-3.168) AG29(3.994,-3.168) AG31(4.66,-3.168) AG33(5.326,-3.168) AH2(-4.997,-3.501) AH4(-4.331,-3.501) AH30(4.327,-3.501) AH32(4.993,-3.501) AJ1(-5.33,-3.834) AJ3(-4.664,-3.834) AJ5(-3.998,-3.834) AJ7(-3.332,-3.834) AJ9(-2.666,-3.834) AJ11(-2,-3.834) AJ13(-1.334,-3.834) AJ15(-0.668,-3.834) AJ19(0.664,-3.834) AJ21(1.33,-3.834) AJ25(2.662,-3.834) AJ27(3.328,-3.834) AJ29(3.994,-3.834) AJ31(4.66,-3.834) AJ33(5.326,-3.834) AK2(-4.997,-4.167) AK4(-4.331,-4.167) AK6(-3.665,-4.167) AK8(-2.999,-4.167) AK10(-2.333,-4.167) AK12(-1.667,-4.167) AK14(-1.001,-4.167) AK20(0.997,-4.167) AK22(1.663,-4.167) AK26(2.995,-4.167) AK28(3.661,-4.167) AK30(4.327,-4.167) AK32(4.993,-4.167) AK34(5.659,-4.167) AL3(-4.664,-4.5) AL5(-3.998,-4.5) AL7(-3.332,-4.5) AL9(-2.666,-4.5) AL11(-2,-4.5) AL13(-1.334,-4.5) AL19(0.664,-4.5) AL21(1.33,-4.5) AL23(1.996,-4.5) AL27(3.328,-4.5) AL29(3.994,-4.5) AL31(4.66,-4.5) AL33(5.326,-4.5) AM4(-4.331,-4.833) AM6(-3.665,-4.833) AM8(-2.999,-4.833) AM10(-2.333,-4.833) AM12(-1.667,-4.833) AM18(0.331,-4.833) AM20(0.997,-4.833) AM22(1.663,-4.833) AM24(2.329,-4.833) AM26(2.995,-4.833) AM28(3.661,-4.833) AM30(4.327,-4.833) AM34(5.659,-4.833) AN3(-4.664,-5.166) AN5(-3.998,-5.166) AN7(-3.332,-5.166) AN9(-2.666,-5.166) AN11(-2,-5.166) AN17(-0.002,-5.166) AN23(1.996,-5.166) AN25(2.662,-5.166) AN27(3.328,-5.166) AN29(3.994,-5.166) AN31(4.66,-5.166) AP6(-3.665,-5.499) AP10(-2.333,-5.499) AP26(2.995,-5.499) AP30(4.327,-5.499) AP32(4.993,-5.499) B2(-4.997,5.157) B4(-4.331,5.157) B8(-2.999,5.157) B10(-2.333,5.157) B12(-1.667,5.157) B14(-1.001,5.157) B16(-0.335,5.157) B18(0.331,5.157) B20(0.997,5.157) B22(1.663,5.157) C1(-5.33,4.824) C3(-4.664,4.824) C5(-3.998,4.824) C7(-3.332,4.824) C9(-2.666,4.824) C11(-2,4.824) C13(-1.334,4.824) C15(-0.668,4.824) C17(-0.002,4.824) C19(0.664,4.824) C21(1.33,4.824) C23(1.996,4.824) C25(2.662,4.824) C27(3.328,4.824) C29(3.994,4.824) C31(4.66,4.824) D2(-4.997,4.491) D4(-4.331,4.491) D6(-3.665,4.491) D8(-2.999,4.491) D10(-2.333,4.491) D12(-1.667,4.491) D14(-1.001,4.491) D16(-0.335,4.491) D18(0.331,4.491) D20(0.997,4.491) D22(1.663,4.491) D24(2.329,4.491) D26(2.995,4.491) D28(3.661,4.491) D30(4.327,4.491) D32(4.993,4.491) E3(-4.664,4.158) E5(-3.998,4.158) E9(-2.666,4.158) E11(-2,4.158) E13(-1.334,4.158) E15(-0.668,4.158) E17(-0.002,4.158) E19(0.664,4.158) E21(1.33,4.158) E23(1.996,4.158) E25(2.662,4.158) E27(3.328,4.158) E29(3.994,4.158) E31(4.66,4.158) F2(-4.997,3.825) F4(-4.331,3.825) F6(-3.665,3.825) F8(-2.999,3.825) F10(-2.333,3.825) F12(-1.667,3.825) F14(-1.001,3.825) F16(-0.335,3.825) F18(0.331,3.825) F20(0.997,3.825) F22(1.663,3.825) F24(2.329,3.825) F26(2.995,3.825) F28(3.661,3.825) F30(4.327,3.825) F32(4.993,3.825) G1(-5.33,3.492) G3(-4.664,3.492) G5(-3.998,3.492) G29(3.994,3.492) G31(4.66,3.492) H2(-4.997,3.159) H6(-3.665,3.159) H30(4.327,3.159) H32(4.993,3.159) J1(-5.33,2.826) J3(-4.664,2.826) J5(-3.998,2.826) J31(4.66,2.826) J33(5.326,2.826) K2(-4.997,2.493) K4(-4.331,2.493) K6(-3.665,2.493) K30(4.327,2.493) K32(4.993,2.493) K34(5.659,2.493) L3(-4.664,2.16) L5(-3.998,2.16) L31(4.66,2.16) L33(5.326,2.16) M2(-4.997,1.827) M4(-4.331,1.827) M6(-3.665,1.827) M30(4.327,1.827) M32(4.993,1.827) N1(-5.33,1.494) N3(-4.664,1.494) N31(4.66,1.494) N33(5.326,1.494) P2(-4.997,1.161) P4(-4.331,1.161) P30(4.327,1.161) P32(4.993,1.161) P34(5.659,1.161) R3(-4.664,0.828) R5(-3.998,0.828) R29(3.994,0.828) R31(4.66,0.828) R33(5.326,0.828) T4(-4.331,0.495) T6(-3.665,0.495) T30(4.327,0.495) T32(4.993,0.495) U1(-5.33,0.162) U3(-4.664,0.162) U5(-3.998,0.162) U29(3.994,0.162) U31(4.66,0.162) U33(5.326,0.162) V2(-4.997,-0.171) V4(-4.331,-0.171) V6(-3.665,-0.171) V30(4.327,-0.171) V32(4.993,-0.171) V34(5.659,-0.171) W3(-4.664,-0.504) W29(3.994,-0.504) W31(4.66,-0.504) W33(5.326,-0.504) Y2(-4.997,-0.837) Y4(-4.331,-0.837) Y6(-3.665,-0.837) Y30(4.327,-0.837) Y32(4.993,-0.837)
  rect 0.2x0.2 smd: GND(0.175,0.025)
  Top region: -3.325,-3.5 3.675,-3.5 3.675,3.5 -3.325,3.5
  silkscreen extent -6.1,-6.3 6.4,6.2, body extent -5.6,-5.75 5.9,5.75, height 0.97
LXDC55K [mm] "LXDC55K"
  rect 0.7x1.1 smd mask+0.05: 1(2.2,1.6) 2(1.1,1.6) 3(0,1.6) 4(-1.1,1.6) 5(-2.2,1.6) 6(-2.2,0) 7(-2.2,-1.7) 8(-1.1,-1.7) 9(0,-1.7) 10(1.1,-1.7) 11(2.2,-1.7) 12(2.2,0) 13(0,0) 14(-1.1,0)
  silkscreen extent -2.65,-2.2 3.03,2.1, body extent -2.85,-2.5 2.85,2.5, height 2.1
M24128S [mm]
  round 0.21 smd mask+0.05: A1(-0.25,0.2) A2(0.25,0.2) B1(-0.25,-0.2) B2(0.25,-0.2)
  silkscreen extent -0.84,-0.5 0.6,0.5, body extent -0.41,-0.35 0.41,0.35, height 0.33
MMCX_UFL_conn_u [mm]
  rect 1.2x1.2 smd mask+0.05: 1(0,1.6) 2(0,-1.6)
  rect 1.55x1 smd mask+0.05: 1(0,1.7) 2(0,-1.7)
  rect 1.2x1.6 smd mask+0.05: 2(-1.7,0) 2(1.7,0)
  rect 1.2x2.15 smd mask+0.05: 2(-1.4,0) 2(1.4,0)
  silkscreen extent -2.3,-2.2 2.3,2.2, body extent -1.5,-1.55 1.5,1.55, height 1.25
NetTie_Wide2 [mm]
  rect 0.4x4 on Mid1: 1(-0.575,0) 2(0.575,0)
  L2 region: -0.775,2 -0.775,-2 0.775,-2 0.775,2
RAKON_RTX5032A [mm] "RAKON RTX5032A 40MHz Filter enabled, with VC, 10pin 5mm x 3.2mm"
  rect 1.35x1 smd mask+0.05: 1(-1.925,-1.15) 4(1.925,-1.15) 6(1.925,1.15) 9(-1.925,1.15)
  rect 0.7x1.35 smd mask+0.05: 2(-0.6,-0.975) 3(0.6,-0.975) 7(0.6,0.975) 8(-0.6,0.975)
  rect 1.35x0.7 smd mask+0.05: 5(1.925,0) 10(-1.925,0)
  silkscreen extent -3.2,-2.25 2.8,1.85, body extent -2.5,-1.6 2.5,1.6, height 0.9
RES0201 [mm]
  rect 0.3x0.35 smd: 1(-0.28,0) 2(0.28,0)
  silkscreen extent -0.2,-0.33 0.2,0.33, body extent -0.3,-0.15 0.3,0.15, height 0.25
RES0402#1 [mm] "Chip Resistor, Body 1.0x0.5mm, EIA 0402, IPC Medium Density"
  round 0.2 on Mech15: 0(0,0)
  rrect20% 0.6x0.6 smd: 1(-0.5,0) 2(0.5,0)
  Top pour cut-out: -0.2,0.35 0.2,0.35 0.2,-0.35 -0.2,-0.35
  silkscreen extent -1.05,-0.55 1.05,0.55, body extent -0.52,-0.27 0.53,0.28, height 0.4
RES0402#2 [mm] "Chip Resistor, Body 1.0x0.5mm, EIA 0402, IPC Medium Density"
  round 0.2 on Mech14: 0(0,0)
  rrect20% 0.6x0.6 smd: 1(-0.5,0) 2(0.5,0)
  Top pour cut-out: -0.2,0.35 0.2,0.35 0.2,-0.35 -0.2,-0.35
  silkscreen extent -1.05,-0.55 1.05,0.55, body extent -0.52,-0.27 0.53,0.28, height 0.4